# KiCad board PANEL_DRY_ELEC_6CH_THIN.kicad_pcb (continued)
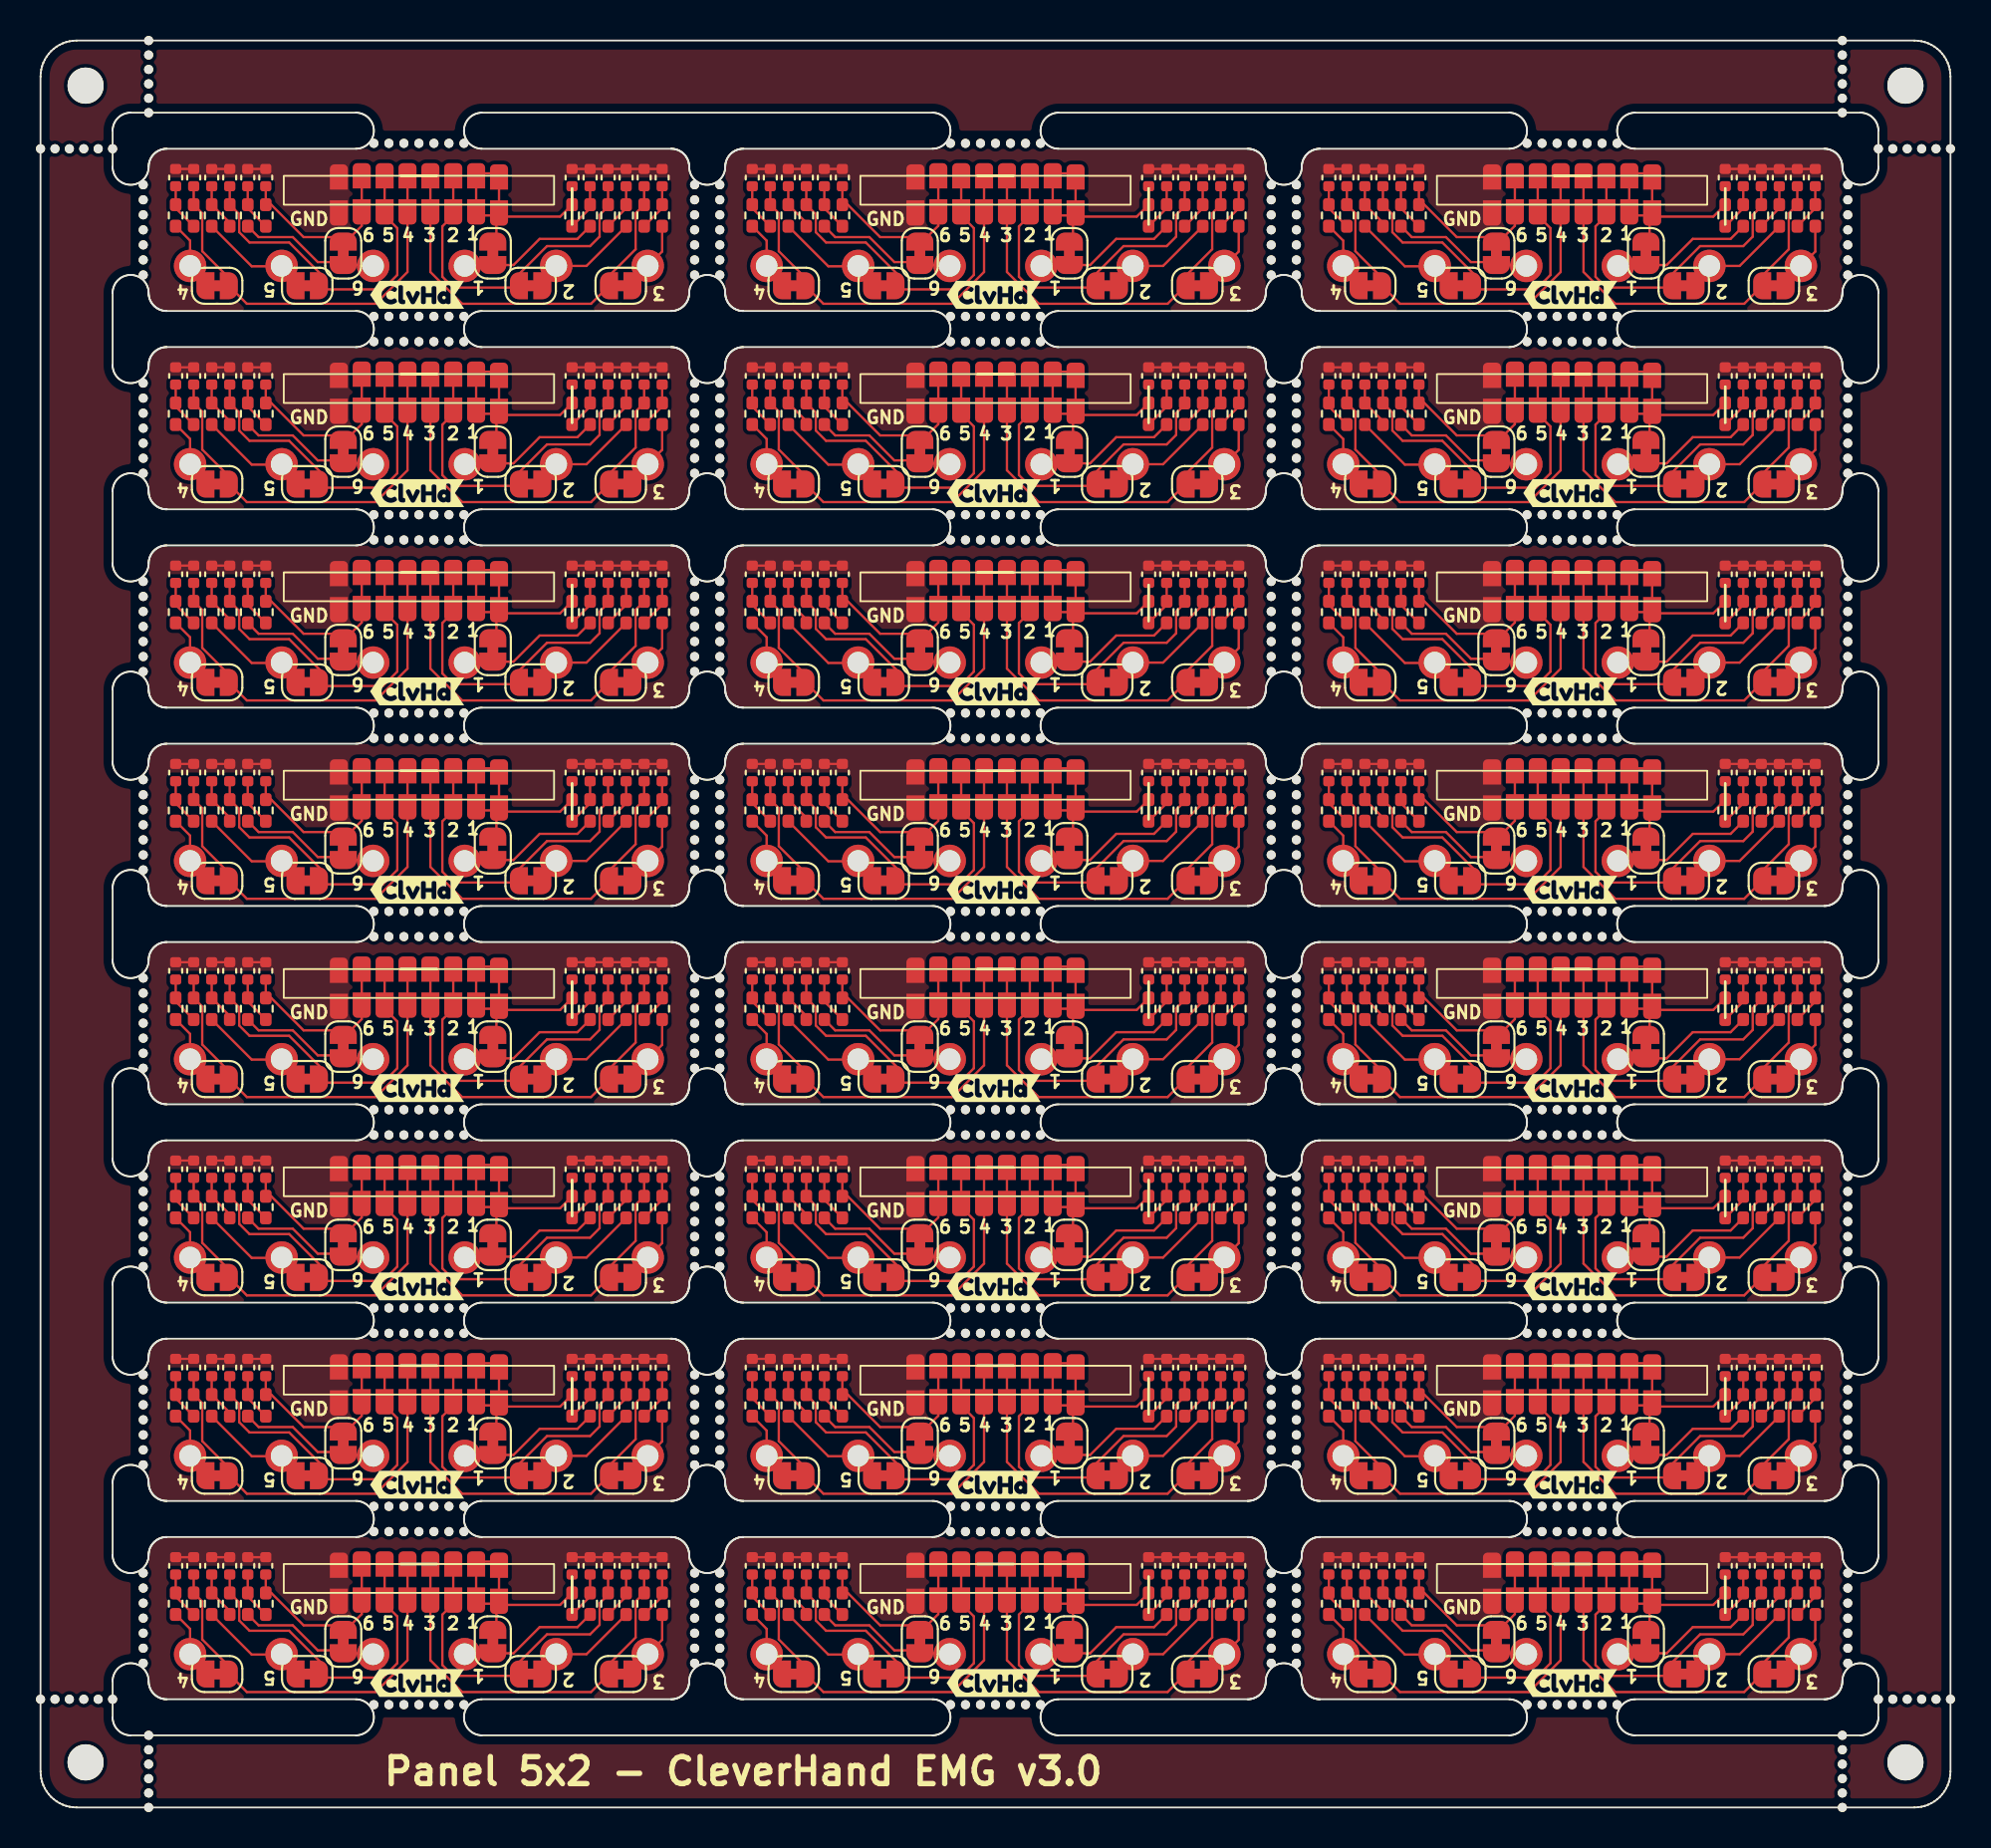
[diagram p0: board, top side]
## Placement (name value [footprint] x y rotation side) (continued)
R2#12  R  [R_0402_1005Metric_Pad0.72x0.64mm_HandSolder]  29.5 44.3 90 top
R2#13  R  [R_0402_1005Metric_Pad0.72x0.64mm_HandSolder]  29.5 55.3 90 top
R2#14  R  [R_0402_1005Metric_Pad0.72x0.64mm_HandSolder]  29.5 11.3 90 top
R2#15  R  [R_0402_1005Metric_Pad0.72x0.64mm_HandSolder]  93.5 77.3 90 top
R2#16  R  [R_0402_1005Metric_Pad0.72x0.64mm_HandSolder]  93.5 66.3 90 top
R2#17  R  [R_0402_1005Metric_Pad0.72x0.64mm_HandSolder]  29.5 88.3 90 top
R2#18  R  [R_0402_1005Metric_Pad0.72x0.64mm_HandSolder]  61.5 55.3 90 top
R2#19  R  [R_0402_1005Metric_Pad0.72x0.64mm_HandSolder]  93.5 33.3 90 top
R2#20  R  [R_0402_1005Metric_Pad0.72x0.64mm_HandSolder]  61.5 77.3 90 top
R2#21  R  [R_0402_1005Metric_Pad0.72x0.64mm_HandSolder]  61.5 66.3 90 top
R2#22  R  [R_0402_1005Metric_Pad0.72x0.64mm_HandSolder]  93.5 22.3 90 top
R2#23  R  [R_0402_1005Metric_Pad0.72x0.64mm_HandSolder]  61.5 88.3 90 top
R2#24  R  [R_0402_1005Metric_Pad0.72x0.64mm_HandSolder]  29.5 22.3 90 top
R3  R  [R_0402_1005Metric_Pad0.72x0.64mm_HandSolder]  96.5 77.3 90 top
R3#2  R  [R_0402_1005Metric_Pad0.72x0.64mm_HandSolder]  96.5 55.3 90 top
R3#3  R  [R_0402_1005Metric_Pad0.72x0.64mm_HandSolder]  32.5 22.3 90 top
R3#4  R  [R_0402_1005Metric_Pad0.72x0.64mm_HandSolder]  64.5 88.3 90 top
R3#5  R  [R_0402_1005Metric_Pad0.72x0.64mm_HandSolder]  64.5 44.3 90 top
R3#6  R  [R_0402_1005Metric_Pad0.72x0.64mm_HandSolder]  96.5 44.3 90 top
R3#7  R  [R_0402_1005Metric_Pad0.72x0.64mm_HandSolder]  96.5 33.3 90 top
R3#8  R  [R_0402_1005Metric_Pad0.72x0.64mm_HandSolder]  64.5 22.3 90 top
R3#9  R  [R_0402_1005Metric_Pad0.72x0.64mm_HandSolder]  64.5 11.3 90 top
R3#10  R  [R_0402_1005Metric_Pad0.72x0.64mm_HandSolder]  64.5 55.3 90 top
R3#11  R  [R_0402_1005Metric_Pad0.72x0.64mm_HandSolder]  32.5 55.3 90 top
R3#12  R  [R_0402_1005Metric_Pad0.72x0.64mm_HandSolder]  32.5 77.3 90 top
R3#13  R  [R_0402_1005Metric_Pad0.72x0.64mm_HandSolder]  64.5 33.3 90 top
R3#14  R  [R_0402_1005Metric_Pad0.72x0.64mm_HandSolder]  96.5 11.3 90 top
R3#15  R  [R_0402_1005Metric_Pad0.72x0.64mm_HandSolder]  32.5 44.3 90 top
R3#16  R  [R_0402_1005Metric_Pad0.72x0.64mm_HandSolder]  96.5 22.3 90 top
R3#17  R  [R_0402_1005Metric_Pad0.72x0.64mm_HandSolder]  32.5 66.3 90 top
R3#18  R  [R_0402_1005Metric_Pad0.72x0.64mm_HandSolder]  32.5 88.3 90 top
R3#19  R  [R_0402_1005Metric_Pad0.72x0.64mm_HandSolder]  64.5 77.3 90 top
R3#20  R  [R_0402_1005Metric_Pad0.72x0.64mm_HandSolder]  96.5 66.3 90 top
R3#21  R  [R_0402_1005Metric_Pad0.72x0.64mm_HandSolder]  96.5 88.3 90 top
R3#22  R  [R_0402_1005Metric_Pad0.72x0.64mm_HandSolder]  64.5 66.3 90 top
R3#23  R  [R_0402_1005Metric_Pad0.72x0.64mm_HandSolder]  32.5 11.3 90 top
R3#24  R  [R_0402_1005Metric_Pad0.72x0.64mm_HandSolder]  32.5 33.3 90 top
R4  R  [R_0402_1005Metric_Pad0.72x0.64mm_HandSolder]  31.5 88.3 90 top
R4#2  R  [R_0402_1005Metric_Pad0.72x0.64mm_HandSolder]  95.5 55.3 90 top
R4#3  R  [R_0402_1005Metric_Pad0.72x0.64mm_HandSolder]  31.5 55.3 90 top
R4#4  R  [R_0402_1005Metric_Pad0.72x0.64mm_HandSolder]  63.5 11.3 90 top
R4#5  R  [R_0402_1005Metric_Pad0.72x0.64mm_HandSolder]  95.5 88.3 90 top
R4#6  R  [R_0402_1005Metric_Pad0.72x0.64mm_HandSolder]  95.5 66.3 90 top
R4#7  R  [R_0402_1005Metric_Pad0.72x0.64mm_HandSolder]  63.5 66.3 90 top
R4#8  R  [R_0402_1005Metric_Pad0.72x0.64mm_HandSolder]  63.5 88.3 90 top
R4#9  R  [R_0402_1005Metric_Pad0.72x0.64mm_HandSolder]  95.5 44.3 90 top
R4#10  R  [R_0402_1005Metric_Pad0.72x0.64mm_HandSolder]  95.5 33.3 90 top
R4#11  R  [R_0402_1005Metric_Pad0.72x0.64mm_HandSolder]  95.5 11.3 90 top
R4#12  R  [R_0402_1005Metric_Pad0.72x0.64mm_HandSolder]  31.5 33.3 90 top
R4#13  R  [R_0402_1005Metric_Pad0.72x0.64mm_HandSolder]  31.5 44.3 90 top
R4#14  R  [R_0402_1005Metric_Pad0.72x0.64mm_HandSolder]  95.5 22.3 90 top
R4#15  R  [R_0402_1005Metric_Pad0.72x0.64mm_HandSolder]  31.5 77.3 90 top
R4#16  R  [R_0402_1005Metric_Pad0.72x0.64mm_HandSolder]  63.5 44.3 90 top
R4#17  R  [R_0402_1005Metric_Pad0.72x0.64mm_HandSolder]  31.5 11.3 90 top
R4#18  R  [R_0402_1005Metric_Pad0.72x0.64mm_HandSolder]  63.5 22.3 90 top
R4#19  R  [R_0402_1005Metric_Pad0.72x0.64mm_HandSolder]  63.5 77.3 90 top
R4#20  R  [R_0402_1005Metric_Pad0.72x0.64mm_HandSolder]  63.5 55.3 90 top
R4#21  R  [R_0402_1005Metric_Pad0.72x0.64mm_HandSolder]  31.5 22.3 90 top
R4#22  R  [R_0402_1005Metric_Pad0.72x0.64mm_HandSolder]  63.5 33.3 90 top
R4#23  R  [R_0402_1005Metric_Pad0.72x0.64mm_HandSolder]  31.5 66.3 90 top
R4#24  R  [R_0402_1005Metric_Pad0.72x0.64mm_HandSolder]  95.5 77.3 90 top
R5  R  [R_0402_1005Metric_Pad0.72x0.64mm_HandSolder]  98.5 11.3 90 top
R5#2  R  [R_0402_1005Metric_Pad0.72x0.64mm_HandSolder]  66.5 77.3 90 top
R5#3  R  [R_0402_1005Metric_Pad0.72x0.64mm_HandSolder]  34.5 11.3 90 top
R5#4  R  [R_0402_1005Metric_Pad0.72x0.64mm_HandSolder]  34.5 88.3 90 top
R5#5  R  [R_0402_1005Metric_Pad0.72x0.64mm_HandSolder]  98.5 77.3 90 top
R5#6  R  [R_0402_1005Metric_Pad0.72x0.64mm_HandSolder]  66.5 11.3 90 top
R5#7  R  [R_0402_1005Metric_Pad0.72x0.64mm_HandSolder]  34.5 33.3 90 top
R5#8  R  [R_0402_1005Metric_Pad0.72x0.64mm_HandSolder]  98.5 88.3 90 top
R5#9  R  [R_0402_1005Metric_Pad0.72x0.64mm_HandSolder]  98.5 55.3 90 top
R5#10  R  [R_0402_1005Metric_Pad0.72x0.64mm_HandSolder]  34.5 77.3 90 top
R5#11  R  [R_0402_1005Metric_Pad0.72x0.64mm_HandSolder]  66.5 44.3 90 top
R5#12  R  [R_0402_1005Metric_Pad0.72x0.64mm_HandSolder]  98.5 44.3 90 top
R5#13  R  [R_0402_1005Metric_Pad0.72x0.64mm_HandSolder]  66.5 55.3 90 top
R5#14  R  [R_0402_1005Metric_Pad0.72x0.64mm_HandSolder]  98.5 22.3 90 top
R5#15  R  [R_0402_1005Metric_Pad0.72x0.64mm_HandSolder]  98.5 66.3 90 top
R5#16  R  [R_0402_1005Metric_Pad0.72x0.64mm_HandSolder]  66.5 33.3 90 top
R5#17  R  [R_0402_1005Metric_Pad0.72x0.64mm_HandSolder]  34.5 66.3 90 top
R5#18  R  [R_0402_1005Metric_Pad0.72x0.64mm_HandSolder]  66.5 66.3 90 top
R5#19  R  [R_0402_1005Metric_Pad0.72x0.64mm_HandSolder]  66.5 22.3 90 top
R5#20  R  [R_0402_1005Metric_Pad0.72x0.64mm_HandSolder]  98.5 33.3 90 top
R5#21  R  [R_0402_1005Metric_Pad0.72x0.64mm_HandSolder]  34.5 22.3 90 top
R5#22  R  [R_0402_1005Metric_Pad0.72x0.64mm_HandSolder]  34.5 55.3 90 top
R5#23  R  [R_0402_1005Metric_Pad0.72x0.64mm_HandSolder]  66.5 88.3 90 top
R5#24  R  [R_0402_1005Metric_Pad0.72x0.64mm_HandSolder]  34.5 44.3 90 top
R6  R  [R_0402_1005Metric_Pad0.72x0.64mm_HandSolder]  33.5 88.3 90 top
R6#2  R  [R_0402_1005Metric_Pad0.72x0.64mm_HandSolder]  65.5 88.3 90 top
R6#3  R  [R_0402_1005Metric_Pad0.72x0.64mm_HandSolder]  33.5 77.3 90 top
R6#4  R  [R_0402_1005Metric_Pad0.72x0.64mm_HandSolder]  65.5 66.3 90 top
R6#5  R  [R_0402_1005Metric_Pad0.72x0.64mm_HandSolder]  97.5 55.3 90 top
R6#6  R  [R_0402_1005Metric_Pad0.72x0.64mm_HandSolder]  97.5 77.3 90 top
R6#7  R  [R_0402_1005Metric_Pad0.72x0.64mm_HandSolder]  33.5 66.3 90 top
R6#8  R  [R_0402_1005Metric_Pad0.72x0.64mm_HandSolder]  97.5 33.3 90 top
R6#9  R  [R_0402_1005Metric_Pad0.72x0.64mm_HandSolder]  65.5 22.3 90 top
R6#10  R  [R_0402_1005Metric_Pad0.72x0.64mm_HandSolder]  97.5 11.3 90 top
R6#11  R  [R_0402_1005Metric_Pad0.72x0.64mm_HandSolder]  33.5 11.3 90 top
R6#12  R  [R_0402_1005Metric_Pad0.72x0.64mm_HandSolder]  97.5 44.3 90 top
R6#13  R  [R_0402_1005Metric_Pad0.72x0.64mm_HandSolder]  33.5 22.3 90 top
R6#14  R  [R_0402_1005Metric_Pad0.72x0.64mm_HandSolder]  65.5 44.3 90 top
R6#15  R  [R_0402_1005Metric_Pad0.72x0.64mm_HandSolder]  65.5 11.3 90 top
R6#16  R  [R_0402_1005Metric_Pad0.72x0.64mm_HandSolder]  97.5 88.3 90 top
R6#17  R  [R_0402_1005Metric_Pad0.72x0.64mm_HandSolder]  97.5 66.3 90 top
R6#18  R  [R_0402_1005Metric_Pad0.72x0.64mm_HandSolder]  65.5 33.3 90 top
R6#19  R  [R_0402_1005Metric_Pad0.72x0.64mm_HandSolder]  97.5 22.3 90 top
R6#20  R  [R_0402_1005Metric_Pad0.72x0.64mm_HandSolder]  65.5 55.3 90 top
R6#21  R  [R_0402_1005Metric_Pad0.72x0.64mm_HandSolder]  33.5 33.3 90 top
R6#22  R  [R_0402_1005Metric_Pad0.72x0.64mm_HandSolder]  33.5 44.3 90 top
R6#23  R  [R_0402_1005Metric_Pad0.72x0.64mm_HandSolder]  65.5 77.3 90 top
R6#24  R  [R_0402_1005Metric_Pad0.72x0.64mm_HandSolder]  33.5 55.3 90 top
R7  R  [R_0402_1005Metric_Pad0.72x0.64mm_HandSolder]  71.5 33.3 90 top
R7#2  R  [R_0402_1005Metric_Pad0.72x0.64mm_HandSolder]  39.5 88.3 90 top
R7#3  R  [R_0402_1005Metric_Pad0.72x0.64mm_HandSolder]  7.5 77.3 90 top
R7#4  R  [R_0402_1005Metric_Pad0.72x0.64mm_HandSolder]  71.5 66.3 90 top
R7#5  R  [R_0402_1005Metric_Pad0.72x0.64mm_HandSolder]  71.5 11.3 90 top
R7#6  R  [R_0402_1005Metric_Pad0.72x0.64mm_HandSolder]  39.5 66.3 90 top
R7#7  R  [R_0402_1005Metric_Pad0.72x0.64mm_HandSolder]  71.5 44.3 90 top
R7#8  R  [R_0402_1005Metric_Pad0.72x0.64mm_HandSolder]  71.5 77.3 90 top
R7#9  R  [R_0402_1005Metric_Pad0.72x0.64mm_HandSolder]  7.5 22.3 90 top
R7#10  R  [R_0402_1005Metric_Pad0.72x0.64mm_HandSolder]  39.5 11.3 90 top
R7#11  R  [R_0402_1005Metric_Pad0.72x0.64mm_HandSolder]  7.5 33.3 90 top
R7#12  R  [R_0402_1005Metric_Pad0.72x0.64mm_HandSolder]  7.5 44.3 90 top
R7#13  R  [R_0402_1005Metric_Pad0.72x0.64mm_HandSolder]  39.5 77.3 90 top
R7#14  R  [R_0402_1005Metric_Pad0.72x0.64mm_HandSolder]  7.5 55.3 90 top
R7#15  R  [R_0402_1005Metric_Pad0.72x0.64mm_HandSolder]  39.5 33.3 90 top
R7#16  R  [R_0402_1005Metric_Pad0.72x0.64mm_HandSolder]  39.5 22.3 90 top
R7#17  R  [R_0402_1005Metric_Pad0.72x0.64mm_HandSolder]  71.5 22.3 90 top
R7#18  R  [R_0402_1005Metric_Pad0.72x0.64mm_HandSolder]  7.5 66.3 90 top
R7#19  R  [R_0402_1005Metric_Pad0.72x0.64mm_HandSolder]  7.5 11.3 90 top
R7#20  R  [R_0402_1005Metric_Pad0.72x0.64mm_HandSolder]  71.5 55.3 90 top
R7#21  R  [R_0402_1005Metric_Pad0.72x0.64mm_HandSolder]  39.5 55.3 90 top
R7#22  R  [R_0402_1005Metric_Pad0.72x0.64mm_HandSolder]  7.5 88.3 90 top
R7#23  R  [R_0402_1005Metric_Pad0.72x0.64mm_HandSolder]  71.5 88.3 90 top
R7#24  R  [R_0402_1005Metric_Pad0.72x0.64mm_HandSolder]  39.5 44.3 90 top
R8  R  [R_0402_1005Metric_Pad0.72x0.64mm_HandSolder]  40.5 77.3 90 top
R8#2  R  [R_0402_1005Metric_Pad0.72x0.64mm_HandSolder]  8.5 88.3 90 top
R8#3  R  [R_0402_1005Metric_Pad0.72x0.64mm_HandSolder]  72.5 66.3 90 top
R8#4  R  [R_0402_1005Metric_Pad0.72x0.64mm_HandSolder]  8.5 22.3 90 top
R8#5  R  [R_0402_1005Metric_Pad0.72x0.64mm_HandSolder]  8.5 66.3 90 top
R8#6  R  [R_0402_1005Metric_Pad0.72x0.64mm_HandSolder]  40.5 33.3 90 top
R8#7  R  [R_0402_1005Metric_Pad0.72x0.64mm_HandSolder]  72.5 11.3 90 top
R8#8  R  [R_0402_1005Metric_Pad0.72x0.64mm_HandSolder]  40.5 11.3 90 top
R8#9  R  [R_0402_1005Metric_Pad0.72x0.64mm_HandSolder]  72.5 22.3 90 top
R8#10  R  [R_0402_1005Metric_Pad0.72x0.64mm_HandSolder]  72.5 44.3 90 top
R8#11  R  [R_0402_1005Metric_Pad0.72x0.64mm_HandSolder]  72.5 88.3 90 top
R8#12  R  [R_0402_1005Metric_Pad0.72x0.64mm_HandSolder]  8.5 11.3 90 top
R8#13  R  [R_0402_1005Metric_Pad0.72x0.64mm_HandSolder]  8.5 77.3 90 top
R8#14  R  [R_0402_1005Metric_Pad0.72x0.64mm_HandSolder]  40.5 88.3 90 top
R8#15  R  [R_0402_1005Metric_Pad0.72x0.64mm_HandSolder]  72.5 77.3 90 top
R8#16  R  [R_0402_1005Metric_Pad0.72x0.64mm_HandSolder]  8.5 33.3 90 top
R8#17  R  [R_0402_1005Metric_Pad0.72x0.64mm_HandSolder]  40.5 66.3 90 top
R8#18  R  [R_0402_1005Metric_Pad0.72x0.64mm_HandSolder]  40.5 44.3 90 top
R8#19  R  [R_0402_1005Metric_Pad0.72x0.64mm_HandSolder]  8.5 44.3 90 top
R8#20  R  [R_0402_1005Metric_Pad0.72x0.64mm_HandSolder]  40.5 22.3 90 top
R8#21  R  [R_0402_1005Metric_Pad0.72x0.64mm_HandSolder]  40.5 55.3 90 top
R8#22  R  [R_0402_1005Metric_Pad0.72x0.64mm_HandSolder]  8.5 55.3 90 top
R8#23  R  [R_0402_1005Metric_Pad0.72x0.64mm_HandSolder]  72.5 55.3 90 top
R8#24  R  [R_0402_1005Metric_Pad0.72x0.64mm_HandSolder]  72.5 33.3 90 top
R9  R  [R_0402_1005Metric_Pad0.72x0.64mm_HandSolder]  73.5 66.3 90 top
R9#2  R  [R_0402_1005Metric_Pad0.72x0.64mm_HandSolder]  73.5 44.3 90 top
R9#3  R  [R_0402_1005Metric_Pad0.72x0.64mm_HandSolder]  41.5 77.3 90 top
R9#4  R  [R_0402_1005Metric_Pad0.72x0.64mm_HandSolder]  9.5 77.3 90 top
R9#5  R  [R_0402_1005Metric_Pad0.72x0.64mm_HandSolder]  41.5 22.3 90 top
R9#6  R  [R_0402_1005Metric_Pad0.72x0.64mm_HandSolder]  41.5 55.3 90 top
R9#7  R  [R_0402_1005Metric_Pad0.72x0.64mm_HandSolder]  73.5 33.3 90 top
R9#8  R  [R_0402_1005Metric_Pad0.72x0.64mm_HandSolder]  41.5 44.3 90 top
R9#9  R  [R_0402_1005Metric_Pad0.72x0.64mm_HandSolder]  9.5 55.3 90 top
R9#10  R  [R_0402_1005Metric_Pad0.72x0.64mm_HandSolder]  73.5 88.3 90 top
R9#11  R  [R_0402_1005Metric_Pad0.72x0.64mm_HandSolder]  9.5 22.3 90 top
R9#12  R  [R_0402_1005Metric_Pad0.72x0.64mm_HandSolder]  41.5 66.3 90 top
R9#13  R  [R_0402_1005Metric_Pad0.72x0.64mm_HandSolder]  73.5 55.3 90 top
R9#14  R  [R_0402_1005Metric_Pad0.72x0.64mm_HandSolder]  73.5 22.3 90 top
R9#15  R  [R_0402_1005Metric_Pad0.72x0.64mm_HandSolder]  9.5 33.3 90 top
R9#16  R  [R_0402_1005Metric_Pad0.72x0.64mm_HandSolder]  41.5 88.3 90 top
R9#17  R  [R_0402_1005Metric_Pad0.72x0.64mm_HandSolder]  9.5 66.3 90 top
R9#18  R  [R_0402_1005Metric_Pad0.72x0.64mm_HandSolder]  41.5 11.3 90 top
R9#19  R  [R_0402_1005Metric_Pad0.72x0.64mm_HandSolder]  73.5 11.3 90 top
R9#20  R  [R_0402_1005Metric_Pad0.72x0.64mm_HandSolder]  73.5 77.3 90 top
R9#21  R  [R_0402_1005Metric_Pad0.72x0.64mm_HandSolder]  9.5 44.3 90 top
R9#22  R  [R_0402_1005Metric_Pad0.72x0.64mm_HandSolder]  41.5 33.3 90 top
R9#23  R  [R_0402_1005Metric_Pad0.72x0.64mm_HandSolder]  9.5 11.3 90 top
R9#24  R  [R_0402_1005Metric_Pad0.72x0.64mm_HandSolder]  9.5 88.3 90 top
R10  R  [R_0402_1005Metric_Pad0.72x0.64mm_HandSolder]  42.5 44.3 90 top
R10#2  R  [R_0402_1005Metric_Pad0.72x0.64mm_HandSolder]  74.5 33.3 90 top
R10#3  R  [R_0402_1005Metric_Pad0.72x0.64mm_HandSolder]  74.5 11.3 90 top
R10#4  R  [R_0402_1005Metric_Pad0.72x0.64mm_HandSolder]  10.5 11.3 90 top
R10#5  R  [R_0402_1005Metric_Pad0.72x0.64mm_HandSolder]  10.5 22.3 90 top
R10#6  R  [R_0402_1005Metric_Pad0.72x0.64mm_HandSolder]  10.5 66.3 90 top
R10#7  R  [R_0402_1005Metric_Pad0.72x0.64mm_HandSolder]  42.5 55.3 90 top
R10#8  R  [R_0402_1005Metric_Pad0.72x0.64mm_HandSolder]  74.5 44.3 90 top
R10#9  R  [R_0402_1005Metric_Pad0.72x0.64mm_HandSolder]  74.5 88.3 90 top
R10#10  R  [R_0402_1005Metric_Pad0.72x0.64mm_HandSolder]  10.5 55.3 90 top
R10#11  R  [R_0402_1005Metric_Pad0.72x0.64mm_HandSolder]  74.5 66.3 90 top
R10#12  R  [R_0402_1005Metric_Pad0.72x0.64mm_HandSolder]  42.5 77.3 90 top
R10#13  R  [R_0402_1005Metric_Pad0.72x0.64mm_HandSolder]  42.5 33.3 90 top
R10#14  R  [R_0402_1005Metric_Pad0.72x0.64mm_HandSolder]  10.5 77.3 90 top
R10#15  R  [R_0402_1005Metric_Pad0.72x0.64mm_HandSolder]  74.5 22.3 90 top
R10#16  R  [R_0402_1005Metric_Pad0.72x0.64mm_HandSolder]  10.5 88.3 90 top
R10#17  R  [R_0402_1005Metric_Pad0.72x0.64mm_HandSolder]  74.5 77.3 90 top
R10#18  R  [R_0402_1005Metric_Pad0.72x0.64mm_HandSolder]  42.5 88.3 90 top
R10#19  R  [R_0402_1005Metric_Pad0.72x0.64mm_HandSolder]  42.5 66.3 90 top
R10#20  R  [R_0402_1005Metric_Pad0.72x0.64mm_HandSolder]  74.5 55.3 90 top
R10#21  R  [R_0402_1005Metric_Pad0.72x0.64mm_HandSolder]  10.5 44.3 90 top
R10#22  R  [R_0402_1005Metric_Pad0.72x0.64mm_HandSolder]  10.5 33.3 90 top
R10#23  R  [R_0402_1005Metric_Pad0.72x0.64mm_HandSolder]  42.5 22.3 90 top
R10#24  R  [R_0402_1005Metric_Pad0.72x0.64mm_HandSolder]  42.5 11.3 90 top
R11  R  [R_0402_1005Metric_Pad0.72x0.64mm_HandSolder]  11.5 44.3 90 top
R11#2  R  [R_0402_1005Metric_Pad0.72x0.64mm_HandSolder]  11.5 22.3 90 top
R11#3  R  [R_0402_1005Metric_Pad0.72x0.64mm_HandSolder]  75.5 55.3 90 top
R11#4  R  [R_0402_1005Metric_Pad0.72x0.64mm_HandSolder]  75.5 33.3 90 top
R11#5  R  [R_0402_1005Metric_Pad0.72x0.64mm_HandSolder]  75.5 22.3 90 top
R11#6  R  [R_0402_1005Metric_Pad0.72x0.64mm_HandSolder]  43.5 11.3 90 top
R11#7  R  [R_0402_1005Metric_Pad0.72x0.64mm_HandSolder]  11.5 33.3 90 top
R11#8  R  [R_0402_1005Metric_Pad0.72x0.64mm_HandSolder]  43.5 22.3 90 top
R11#9  R  [R_0402_1005Metric_Pad0.72x0.64mm_HandSolder]  75.5 44.3 90 top
R11#10  R  [R_0402_1005Metric_Pad0.72x0.64mm_HandSolder]  75.5 88.3 90 top
R11#11  R  [R_0402_1005Metric_Pad0.72x0.64mm_HandSolder]  43.5 55.3 90 top
R11#12  R  [R_0402_1005Metric_Pad0.72x0.64mm_HandSolder]  75.5 77.3 90 top
R11#13  R  [R_0402_1005Metric_Pad0.72x0.64mm_HandSolder]  75.5 11.3 90 top
R11#14  R  [R_0402_1005Metric_Pad0.72x0.64mm_HandSolder]  75.5 66.3 90 top
R11#15  R  [R_0402_1005Metric_Pad0.72x0.64mm_HandSolder]  11.5 88.3 90 top
R11#16  R  [R_0402_1005Metric_Pad0.72x0.64mm_HandSolder]  43.5 77.3 90 top
R11#17  R  [R_0402_1005Metric_Pad0.72x0.64mm_HandSolder]  43.5 44.3 90 top
R11#18  R  [R_0402_1005Metric_Pad0.72x0.64mm_HandSolder]  11.5 66.3 90 top
R11#19  R  [R_0402_1005Metric_Pad0.72x0.64mm_HandSolder]  43.5 88.3 90 top
R11#20  R  [R_0402_1005Metric_Pad0.72x0.64mm_HandSolder]  11.5 55.3 90 top
R11#21  R  [R_0402_1005Metric_Pad0.72x0.64mm_HandSolder]  43.5 33.3 90 top
R11#22  R  [R_0402_1005Metric_Pad0.72x0.64mm_HandSolder]  43.5 66.3 90 top
R11#23  R  [R_0402_1005Metric_Pad0.72x0.64mm_HandSolder]  11.5 11.3 90 top
R11#24  R  [R_0402_1005Metric_Pad0.72x0.64mm_HandSolder]  11.5 77.3 90 top
R12  R  [R_0402_1005Metric_Pad0.72x0.64mm_HandSolder]  12.5 66.3 90 top
R12#2  R  [R_0402_1005Metric_Pad0.72x0.64mm_HandSolder]  76.5 33.3 90 top
R12#3  R  [R_0402_1005Metric_Pad0.72x0.64mm_HandSolder]  44.5 44.3 90 top
R12#4  R  [R_0402_1005Metric_Pad0.72x0.64mm_HandSolder]  12.5 88.3 90 top
R12#5  R  [R_0402_1005Metric_Pad0.72x0.64mm_HandSolder]  44.5 66.3 90 top
R12#6  R  [R_0402_1005Metric_Pad0.72x0.64mm_HandSolder]  44.5 55.3 90 top
R12#7  R  [R_0402_1005Metric_Pad0.72x0.64mm_HandSolder]  76.5 77.3 90 top
R12#8  R  [R_0402_1005Metric_Pad0.72x0.64mm_HandSolder]  44.5 88.3 90 top
R12#9  R  [R_0402_1005Metric_Pad0.72x0.64mm_HandSolder]  12.5 22.3 90 top
R12#10  R  [R_0402_1005Metric_Pad0.72x0.64mm_HandSolder]  12.5 77.3 90 top
R12#11  R  [R_0402_1005Metric_Pad0.72x0.64mm_HandSolder]  76.5 66.3 90 top
R12#12  R  [R_0402_1005Metric_Pad0.72x0.64mm_HandSolder]  44.5 11.3 90 top
R12#13  R  [R_0402_1005Metric_Pad0.72x0.64mm_HandSolder]  12.5 55.3 90 top
R12#14  R  [R_0402_1005Metric_Pad0.72x0.64mm_HandSolder]  76.5 44.3 90 top
R12#15  R  [R_0402_1005Metric_Pad0.72x0.64mm_HandSolder]  44.5 77.3 90 top
R12#16  R  [R_0402_1005Metric_Pad0.72x0.64mm_HandSolder]  76.5 11.3 90 top
R12#17  R  [R_0402_1005Metric_Pad0.72x0.64mm_HandSolder]  44.5 33.3 90 top
R12#18  R  [R_0402_1005Metric_Pad0.72x0.64mm_HandSolder]  12.5 11.3 90 top
R12#19  R  [R_0402_1005Metric_Pad0.72x0.64mm_HandSolder]  76.5 88.3 90 top
R12#20  R  [R_0402_1005Metric_Pad0.72x0.64mm_HandSolder]  12.5 44.3 90 top
R12#21  R  [R_0402_1005Metric_Pad0.72x0.64mm_HandSolder]  76.5 55.3 90 top
R12#22  R  [R_0402_1005Metric_Pad0.72x0.64mm_HandSolder]  76.5 22.3 90 top
R12#23  R  [R_0402_1005Metric_Pad0.72x0.64mm_HandSolder]  44.5 22.3 90 top
R12#24  R  [R_0402_1005Metric_Pad0.72x0.64mm_HandSolder]  12.5 33.3 90 top

## Library data of the parts
C1 C1#2-C1#24 C2 C2#2-C2#24 C3 C3#2-C3#24 C4 C4#2-C4#24 C5 C5#2-C5#24 C6 C6#2-C6#24 C7 C7#2-C7#24 C8 C8#2-C8#24 C9 C9#2-C9#24 C10 C10#2-C10#24 C11 C11#2-C11#24 C12 C12#2-C12#24 = -: Description: Unpolarized capacitor
J17 J17#2-J17#24 J18 J18#2-J18#24 J19 J19#2-J19#24 J20 J20#2-J20#24 J21 J21#2-J21#24 J22 J22#2-J22#24 = -: Description: Generic connector, single row, 01x01, script generated
JP1 JP1#2-JP1#24 JP2 JP2#2-JP2#24 JP3 JP3#2-JP3#24 JP4 JP4#2-JP4#24 JP5 JP5#2-JP5#24 JP6 JP6#2-JP6#24 = -: Description: Solder Jumper, 2-pole, closed/bridged
R1 R1#2-R1#24 R2 R2#2-R2#24 R3 R3#2-R3#24 R4 R4#2-R4#24 R5 R5#2-R5#24 R6 R6#2-R6#24 R7 R7#2-R7#24 R8 R8#2-R8#24 R9 R9#2-R9#24 R10 R10#2-R10#24 R11 R11#2-R11#24 R12 R12#2-R12#24 = -: Description: Resistor

## Footprints (pads in the part's own frame, mm; a bottom-side part is the same pattern mirrored in y, then rotated)
C_0402_1005Metric
  rrect 0.56x0.62 smd: 1(-0.48,0) 2(0.48,0)
NPTH
  round 0.5 hole 0.5 unplated: (0,0)
NPTH#2
  round 2 hole 2 unplated: (0,0)
Pin_D1.2mm_pogo
  round 1.8 hole 1.2: 1(0,0)
R_0402_1005Metric_Pad0.72x0.64mm_HandSolder
  rrect 0.715x0.64 smd: 1(-0.598,0) 2(0.598,0)
SolderJumper-2_P1.3mm_Bridged_RoundedPad1.0x1.5mm
  custom 1x1.5 smd: 1(-0.65,0) 2(0.65,0)
SolderWirePad_1x01_SMD_1x2mm
  custom 1x1.4 smd: 1(0,0.5)

## Nets
Board_0-/filtering_1/ELECTRODE: J17#15.1 JP1#14.1 R1#12.1
Board_0-/filtering_2/ELECTRODE: J18#18.1 JP2#6.1 R3#18.1
Board_0-/filtering_3/ELECTRODE: J19#23.1 JP3#6.1 R5#4.1
Board_0-/filtering_4/ELECTRODE: J20#23.1 JP4#17.1 R7#22.1
Board_0-/filtering_5/ELECTRODE: J21#24.1 JP5#19.1 R9#24.1
Board_0-/filtering_6/ELECTRODE: J22#2.1 JP6#2.1 R11#15.1
Board_0-/IN1: C2#7.1 J7#23.1 J8#17.1 J15#23.1 J16#7.1 JP1#14.2 R2#17.2
Board_0-/IN2: C4.1 J6#10.1 J14#4.1 JP2#6.2 R4.2
Board_0-/IN3: C6#22.1 J5#6.1 J13#17.1 JP3#6.2 R6.2
Board_0-/IN4: C8#7.1 J4#24.1 J12#17.1 JP4#17.2 R8#2.2
Board_0-/IN5: C10#10.1 J3#15.1 J11#4.1 JP5#19.2 R10#16.2
Board_0-/IN6: C12#5.1 J2#3.1 J10#5.1 JP6#2.2 R12#4.2
Board_0-GND: C1#14.2 C2#7.2 C3#14.2 C4.2 C5#3.2 C6#22.2 C7#3.2 C8#7.2 C9#23.2 C10#10.2 C11#9.2 C12#5.2 J1#9.1 J9#24.1
Board_0-Net-(C1-Pad1): C1#14.1 R1#12.2 R2#17.1
Board_0-Net-(C3-Pad1): C3#14.1 R3#18.2 R4.1
Board_0-Net-(C5-Pad1): C5#3.1 R5#4.2 R6.1
Board_0-Net-(C7-Pad1): C7#3.1 R7#22.2 R8#2.1
Board_0-Net-(C9-Pad1): C9#23.1 R9#24.2 R10#16.1
Board_0-Net-(C11-Pad1): C11#9.1 R11#15.2 R12#4.1
Board_1-/filtering_1/ELECTRODE: J17#11.1 JP1#9.1 R1#22.1
Board_1-/filtering_2/ELECTRODE: J18#10.1 JP2#18.1 R3#4.1
Board_1-/filtering_3/ELECTRODE: J19#14.1 JP3.1 R5#23.1
Board_1-/filtering_4/ELECTRODE: J20#13.1 JP4#22.1 R7#2.1
Board_1-/filtering_5/ELECTRODE: J21#19.1 JP5#13.1 R9#16.1
Board_1-/filtering_6/ELECTRODE: J22#3.1 JP6#12.1 R11#19.1
Board_1-/IN1: C2#21.1 J7#17.1 J8.1 J15#10.1 J16#23.1 JP1#9.2 R2#23.2
Board_1-/IN2: C4#20.1 J6#9.1 J14#12.1 JP2#18.2 R4#8.2
Board_1-/IN3: C6#2.1 J5#16.1 J13#16.1 JP3.2 R6#2.2
Board_1-/IN4: C8#8.1 J4#19.1 J12#5.1 JP4#22.2 R8#14.2
Board_1-/IN5: C10#2.1 J3#22.1 J11#15.1 JP5#13.2 R10#18.2
Board_1-/IN6: C12#2.1 J2#13.1 J10#23.1 JP6#12.2 R12#8.2
Board_1-GND: C1#7.2 C2#21.2 C3#7.2 C4#20.2 C5#19.2 C6#2.2 C7#20.2 C8#8.2 C9#16.2 C10#2.2 C11#7.2 C12#2.2 J1#6.1 J9#13.1
Board_1-Net-(C1-Pad1): C1#7.1 R1#22.2 R2#23.1
Board_1-Net-(C3-Pad1): C3#7.1 R3#4.2 R4#8.1
Board_1-Net-(C5-Pad1): C5#19.1 R5#23.2 R6#2.1
Board_1-Net-(C7-Pad1): C7#20.1 R7#2.2 R8#14.1
Board_1-Net-(C9-Pad1): C9#16.1 R9#16.2 R10#18.1
Board_1-Net-(C11-Pad1): C11#7.1 R11#19.2 R12#8.1
Board_2-/filtering_1/ELECTRODE: J17#18.1 JP1#8.1 R1.1
Board_2-/filtering_2/ELECTRODE: J18#13.1 JP2#5.1 R3#21.1
Board_2-/filtering_3/ELECTRODE: J19#18.1 JP3#11.1 R5#8.1
Board_2-/filtering_4/ELECTRODE: J20#11.1 JP4#7.1 R7#23.1
Board_2-/filtering_5/ELECTRODE: J21#21.1 JP5#16.1 R9#10.1
Board_2-/filtering_6/ELECTRODE: J22.1 JP6#9.1 R11#10.1
Board_2-/IN1: C2#2.1 J7#22.1 J8#13.1 J15#15.1 J16#17.1 JP1#8.2 R2#4.2
Board_2-/IN2: C4#4.1 J6#13.1 J14#17.1 JP2#5.2 R4#5.2
Board_2-/IN3: C6#17.1 J5#10.1 J13#12.1 JP3#11.2 R6#16.2
Board_2-/IN4: C8#17.1 J4#22.1 J12#16.1 JP4#7.2 R8#11.2
Board_2-/IN5: C10#24.1 J3#3.1 J11#10.1 JP5#16.2 R10#9.2
Board_2-/IN6: C12#8.1 J2#9.1 J10#13.1 JP6#9.2 R12#19.2
Board_2-GND: C1#24.2 C2#2.2 C3#19.2 C4#4.2 C5#17.2 C6#17.2 C7#5.2 C8#17.2 C9#9.2 C10#24.2 C11#24.2 C12#8.2 J1#2.1 J9#7.1
Board_2-Net-(C1-Pad1): C1#24.1 R1.2 R2#4.1
Board_2-Net-(C3-Pad1): C3#19.1 R3#21.2 R4#5.1
Board_2-Net-(C5-Pad1): C5#17.1 R5#8.2 R6#16.1
Board_2-Net-(C7-Pad1): C7#5.1 R7#23.2 R8#11.1
Board_2-Net-(C9-Pad1): C9#9.1 R9#10.2 R10#9.1
Board_2-Net-(C11-Pad1): C11#24.1 R11#10.2 R12#19.1
Board_3-/filtering_1/ELECTRODE: J17#19.1 JP1#20.1 R1#3.1
Board_3-/filtering_2/ELECTRODE: J18#6.1 JP2#22.1 R3#12.1
Board_3-/filtering_3/ELECTRODE: J19#19.1 JP3#20.1 R5#10.1
Board_3-/filtering_4/ELECTRODE: J20.1 JP4#2.1 R7#3.1
Board_3-/filtering_5/ELECTRODE: J21#6.1 JP5#21.1 R9#4.1
Board_3-/filtering_6/ELECTRODE: J22#20.1 JP6#11.1 R11#24.1
Board_3-/IN1: C2#16.1 J7#21.1 J8#6.1 J15#16.1 J16#4.1 JP1#20.2 R2#7.2
Board_3-/IN2: C4#12.1 J6#14.1 J14#13.1 JP2#22.2 R4#15.2
Board_3-/IN3: C6#20.1 J5#20.1 J13#24.1 JP3#20.2 R6#3.2
Board_3-/IN4: C8.1 J4#18.1 J12.1 JP4#2.2 R8#13.2
Board_3-/IN5: C10#8.1 J3#5.1 J11#7.1 JP5#21.2 R10#14.2
Board_3-/IN6: C12#13.1 J2#10.1 J10#21.1 JP6#11.2 R12#10.2
Board_3-GND: C1#15.2 C2#16.2 C3.2 C4#12.2 C5#21.2 C6#20.2 C7#6.2 C8.2 C9#4.2 C10#8.2 C11#12.2 C12#13.2 J1#7.1 J9#17.1
Board_3-Net-(C1-Pad1): C1#15.1 R1#3.2 R2#7.1
Board_3-Net-(C3-Pad1): C3.1 R3#12.2 R4#15.1
Board_3-Net-(C5-Pad1): C5#21.1 R5#10.2 R6#3.1
Board_3-Net-(C7-Pad1): C7#6.1 R7#3.2 R8#13.1
Board_3-Net-(C9-Pad1): C9#4.1 R9#4.2 R10#14.1
Board_3-Net-(C11-Pad1): C11#12.1 R11#24.2 R12#10.1
Board_4-/filtering_1/ELECTRODE: J17#5.1 JP1#5.1 R1#10.1
Board_4-/filtering_2/ELECTRODE: J18#4.1 JP2.1 R3#19.1
Board_4-/filtering_3/ELECTRODE: J19#7.1 JP3#2.1 R5#2.1
Board_4-/filtering_4/ELECTRODE: J20#19.1 JP4#18.1 R7#13.1
Board_4-/filtering_5/ELECTRODE: J21#22.1 JP5.1 R9#3.1
Board_4-/filtering_6/ELECTRODE: J22#14.1 JP6#14.1 R11#16.1
Board_4-/IN1: C2#5.1 J7#10.1 J8#7.1 J15#24.1 J16#22.1 JP1#5.2 R2#20.2
Board_4-/IN2: C4#11.1 J6#18.1 J14#11.1 JP2.2 R4#19.2
Board_4-/IN3: C6#15.1 J5#12.1 J13#7.1 JP3#2.2 R6#23.2
Board_4-/IN4: C8#24.1 J4#20.1 J12#21.1 JP4#18.2 R8.2
Board_4-/IN5: C10#4.1 J3#20.1 J11#17.1 JP5.2 R10#12.2